# Altium PCB VOU_SOM_CV_V0.0.1.PcbDoc (part 1 of 3)
Units mm, origin at the board's own origin, x right, y up, seen from the top; angles counter-clockwise.
Board outline 95 x 95 mm, 8 copper layers (Top Layer, Signal Layer 1, Signal Layer 2, Signal Layer 3, Signal Layer 4, Signal Layer 5, Signal Layer 6, Bottom Layer), stack 1.684 mm thick; 531 components, 781 nets, 3326 pads, 56 vias.
Unrouted connection lines stored in the file: 2441.
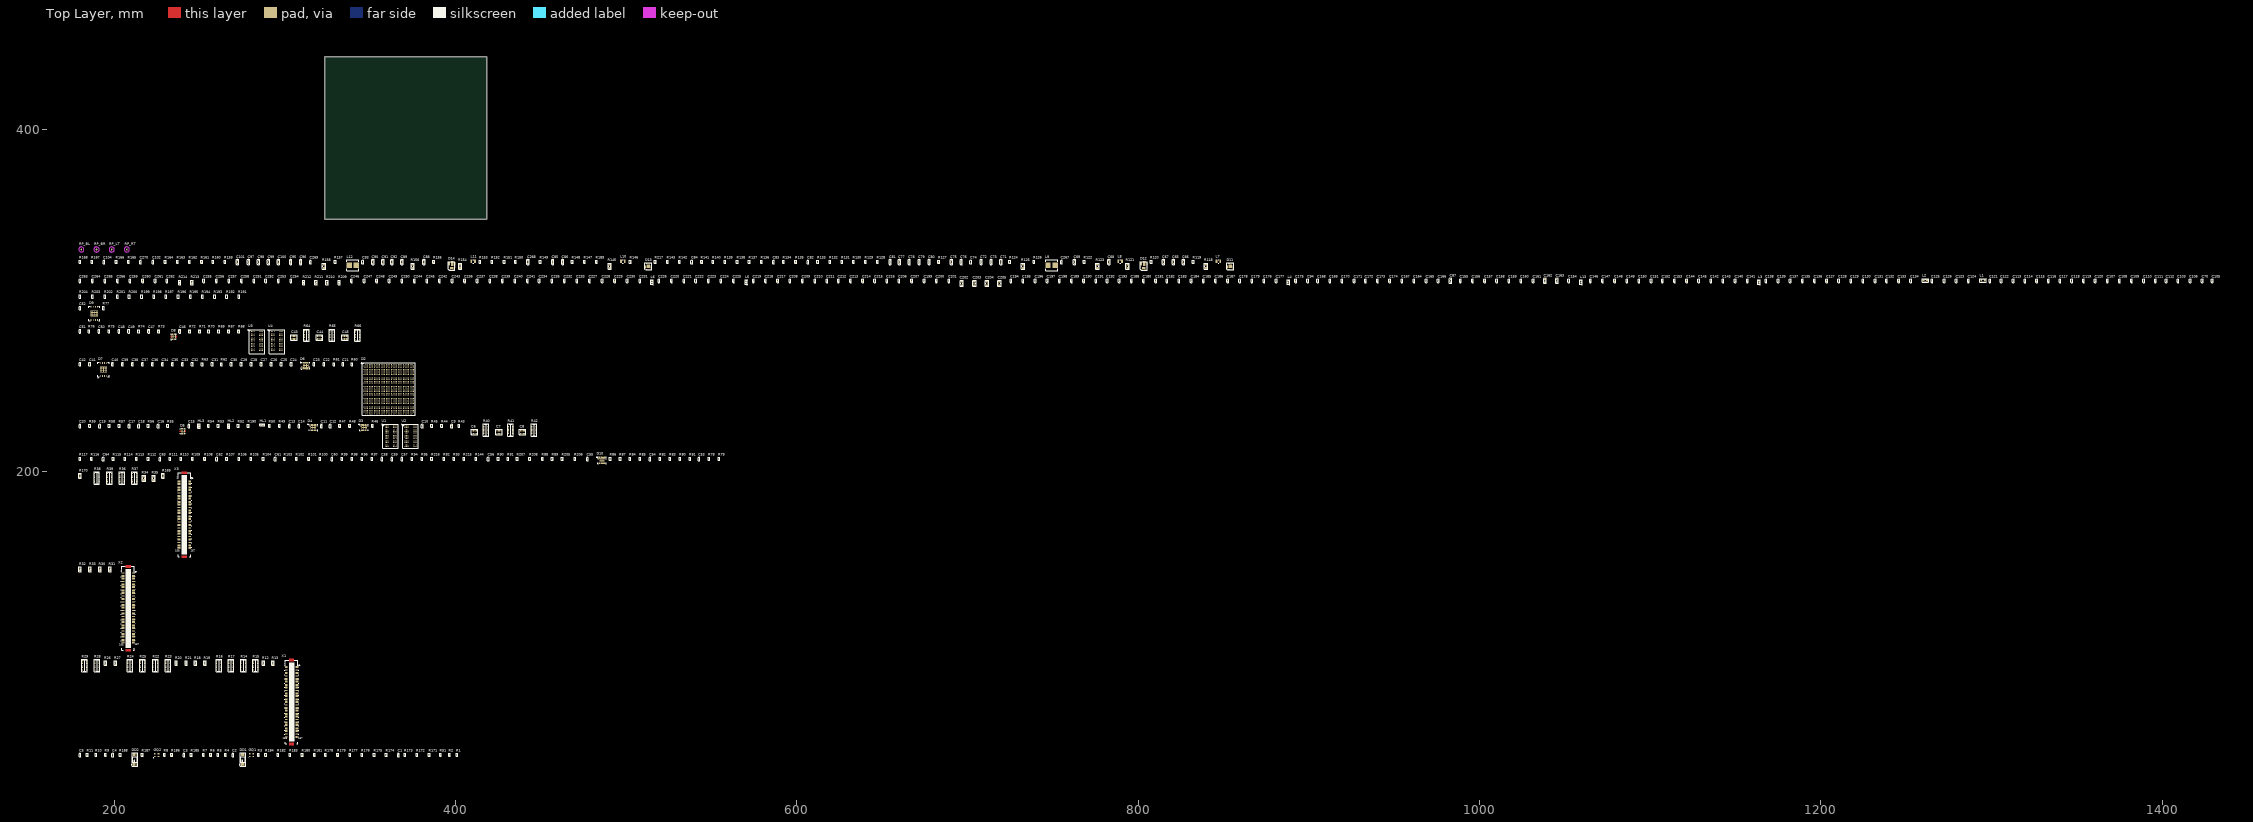
[diagram p0: Top Layer view]
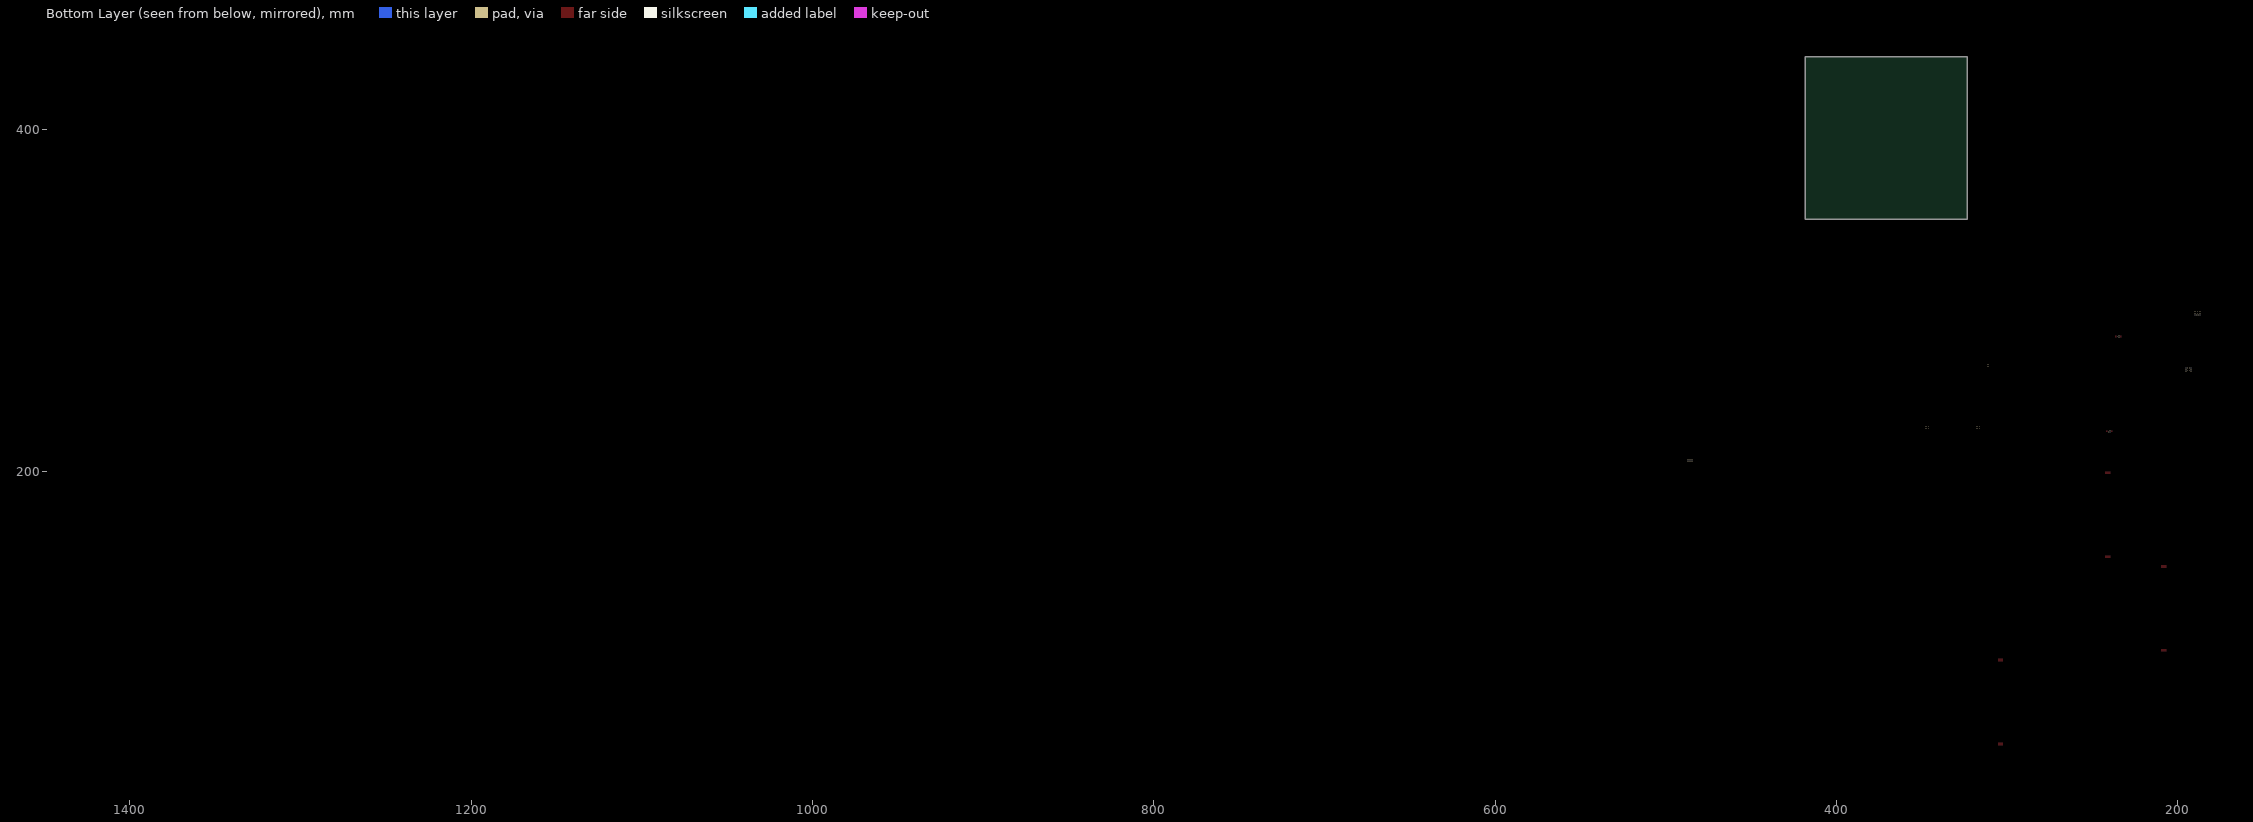
[diagram p1: Bottom Layer view, seen from below]

## Layer stack, top to bottom
Top Solder: solder mask 0.0102, Solder Resist, Dk 3.5
Top Layer: signal copper 0.0356
Dielectric 1: core 0.254, FR-4, Dk 4.2
Signal Layer 1: signal copper 0.036
Dielectric 3: prepreg 0.127, Dk 4.2
Signal Layer 2: signal copper 0.036
Dielectric 4: core 0.254, Dk 4.2
Signal Layer 3: signal copper 0.036
Dielectric 5: prepreg 0.127, Dk 4.2
Signal Layer 4: signal copper 0.036
Dielectric 6: core 0.254, Dk 4.2
Signal Layer 5: signal copper 0.036
Dielectric 7: prepreg 0.127, Dk 4.2
Signal Layer 6: signal copper 0.036
Dielectric 2: core 0.254, Dk 4.2
Bottom Layer: signal copper 0.0356
Bottom Solder: solder mask 0.0102, Solder Resist, Dk 3.5

## Board outline
323.325,347.8 418.325,347.8 418.325,442.8 323.325,442.8

## Design rules (kind name [scope] priority, off if disabled: settings)
Clearance [All] p1: gap=0.254
DiffPairsRouting [All] p1: maxlimit=0.254 minlimit=0.254 mostfreqgap=0.254 toplayer_minwidth=0.381 toplayer_maxwidth=0.381 toplayer_prefwidth=0.381 midlayer1_minwidth=0.381 midlayer1_maxwidth=0.381 midlayer1_prefwidth=0.381 midlayer2_minwidth=0.381 midlayer2_maxwidth=0.381 midlayer2_prefwidth=0.381 midlayer3_minwidth=0.381 midlayer3_maxwidth=0.381 midlayer3_prefwidth=0.381 midlayer4_minwidth=0.381 midlayer4_maxwidth=0.381 midlayer4_prefwidth=0.381 midlayer5_minwidth=0.381 midlayer5_maxwidth=0.381 midlayer5_prefwidth=0.381 midlayer6_minwidth=0.381 midlayer6_maxwidth=0.381 midlayer6_prefwidth=0.381 bottomlayer_minwidth=0.381 bottomlayer_maxwidth=0.381 bottomlayer_prefwidth=0.381 maxuncoupledlength=12.7
PolygonConnect [All] p1: connectstyle=Relief reliefconductorwidth=0.254 reliefentries=4 polygonreliefangle="90 Angle" airgapwidth=0.254
RoomDefinition VOU_SOM_CV_V0.0.1 [InComponentClass('VOU_SOM_CV_V0.0.1')] p1: confinementstyle=ConfineIn formatcopy=TRUE lockcomponents=FALSE outline 178.943,328.168 213.614,328.168 213.614,334.518 178.943,334.518
RoomDefinition SoC_pwr_2.SchDoc [InComponentClass('SoC_pwr_2.SchDoc')] p2: confinementstyle=ConfineIn formatcopy=TRUE lockcomponents=FALSE outline 178.943,317.119 856.234,317.119 856.234,326.898 178.943,326.898
RoomDefinition SoC_pwr_1.SchDoc [InComponentClass('SoC_pwr_1.SchDoc')] p3: confinementstyle=ConfineIn formatcopy=TRUE lockcomponents=FALSE outline 178.943,307.721 1434.719,307.721 1434.719,315.849 178.943,315.849
RoomDefinition JTAG_chain.SchDoc [InComponentClass('JTAG_chain.SchDoc')] p4: confinementstyle=ConfineIn formatcopy=TRUE lockcomponents=FALSE outline 178.943,301.117 277.876,301.117 277.876,306.578 178.943,306.578
RoomDefinition HPS_IOs.SchDoc [InComponentClass('HPS_IOs.SchDoc')] p5: confinementstyle=ConfineIn formatcopy=TRUE lockcomponents=FALSE outline 178.943,287.528 197.739,287.528 197.739,299.847 178.943,299.847
RoomDefinition HPS_DDR3.SchDoc [InComponentClass('HPS_DDR3.SchDoc')] p6: confinementstyle=ConfineIn formatcopy=TRUE lockcomponents=FALSE outline 178.943,268.224 345.44,268.224 345.44,286.258 178.943,286.258
RoomDefinition FPGA_IOs.SchDoc [InComponentClass('FPGA_IOs.SchDoc')] p7: confinementstyle=ConfineIn formatcopy=TRUE lockcomponents=FALSE outline 178.943,231.902 377.19,231.902 377.19,266.954 178.943,266.954
RoomDefinition FPGA_DDR3&IO.SchDoc [InComponentClass('FPGA_DDR3&IO.SchDoc')] p8: confinementstyle=ConfineIn formatcopy=TRUE lockcomponents=FALSE outline 178.943,212.725 448.945,212.725 448.945,230.759 178.943,230.759
RoomDefinition DIMS_DSP_MainBoard_Interface.SchDoc [InComponentClass('DIMS_DSP_MainBoard_Interface.SchDoc')] p9: confinementstyle=ConfineIn formatcopy=TRUE lockcomponents=FALSE outline 178.943,203.835 558.419,203.835 558.419,211.455 178.943,211.455
RoomDefinition Conn_C.SchDoc [InComponentClass('Conn_C.SchDoc')] p10: confinementstyle=ConfineIn formatcopy=TRUE lockcomponents=FALSE outline 178.943,148.971 246.634,148.971 246.634,202.565 178.943,202.565
RoomDefinition Conn_B.SchDoc [InComponentClass('Conn_B.SchDoc')] p11: confinementstyle=ConfineIn formatcopy=TRUE lockcomponents=FALSE outline 178.943,94.107 213.741,94.107 213.741,147.701 178.943,147.701
RoomDefinition Conn_A.SchDoc [InComponentClass('Conn_A.SchDoc')] p12: confinementstyle=ConfineIn formatcopy=TRUE lockcomponents=FALSE outline 178.943,39.243 309.499,39.243 309.499,92.837 178.943,92.837
RoomDefinition CLK_src&sys_logic.SchDoc [InComponentClass('CLK_src&sys_logic.SchDoc')] p13: confinementstyle=ConfineIn formatcopy=TRUE lockcomponents=FALSE outline 178.943,26.797 402.844,26.797 402.844,37.973 178.943,37.973
RoutingVias [All] p1: holewidth=0.711 width=1.27 viastyle="Through Hole" minholewidth=0.711 minwidth=1.27 maxholewidth=0.711 maxwidth=1.27
SolderMaskExpansion [All] p1: expansion=0.102
Width [All] p1: maxlimit=0.254 minlimit=0.254 preferedwidth=0.254
29 further rules are at their usual default settings.

## Classes and differential pairs
component class VOU_SOM_CV_V0.0.1: RP_BL RP_BR RP_LT RP_RT
component class SoC_pwr_2.SchDoc: C65 C66 C67 C68 C69 C71 C72 C73 C74 C75 C76 C77 C78 C79 C80 C81 C82 C83 C84 C85 C86 C88 C89 C90 C91 C92 C93 C95 C96 C97 C98 C99 C100 C101 C102 C104 C267 C268 C269 C270 D11 D12 D13 D14 L7 L8 L9 L10 L11 L12 R118 R119 R120 R121 R122 R123 R124 R125 R126 R127 R128 R129 R130 R131 R132 R133 R134 R135 R136 R137 R138 R139 R140 R141 R142 R143 R145 R146 R147 R148 R149 R150 R151 R152 R153 R154 R155 R156 R157 R158 R159 R160 R161 R162 R163 R164 R165 R166 R167 R168 R189 R217
component class SoC_pwr_1.SchDoc: C70 C87 C94 C103 C105 C106 C107 C108 C109 C110 C111 C112 C113 C114 C115 C116 C117 C118 C119 C120 C121 C122 C123 C124 C125 C126 C127 C128 C129 C130 C131 C132 C133 C134 C135 C136 C137 C138 C139 C140 C141 C142 C143 C144 C145 C146 C147 C148 C149 C150 C151 C152 C153 C154 C155 C156 C157 C158 C159 C160 C161 C162 C163 C164 C165 C166 C167 C168 C169 C170 C171 C172 C173 C174 C175 C176 C177 C178 C179 C180 C181 C182 C183 C184 C185 C186 C187 C188 C189 C190 C191 C192 C193 C194 C195 C196 C197 C198 C199 C200 C201 C202 C203 C204 C205 C206 C207 C208 C209 C210 C211 C212 C213 C214 C215 C216 C217 C218 C219 C220 C221 C222 C223 C224 C225 C226 C227 C228 C229 C230 C231 C232 C233 C234 C235 C236 C237 C238 C239 C240 C241 C242 C243 C244 C245 C246 C247 C248 C249 C250 C251 C252 C253 C254 C255 C256 C257 C258 C259 C260 C261 C262 C263 C264 C265 C266 L1 L2 L3 L4 L5 L6 L13 R209 R210 R211 R212 R213 R214
component class JTAG_chain.SchDoc: R191 R192 R193 R194 R195 R196 R197 R198 R199 R200 R201 R202 R203 R204
component class HPS_IOs.SchDoc: C52 D9 R77
component class HPS_DDR3.SchDoc: C43 C44 C45 C46 C47 C48 C49 C50 C51 D8 R64 R65 R66 R67 R68 R69 R70 R71 R72 R73 R74 R75 R76 U3 U4
component class FPGA_IOs.SchDoc: C21 C22 C23 C24 C25 C26 C27 C28 C29 C30 C31 C32 C33 C34 C35 C36 C37 C38 C39 C40 C41 C42 D2 D6 D7 R60 R61 R62 R63
component class FPGA_DDR3&IO.SchDoc: C6 C7 C8 C9 C10 C11 C12 C13 C14 C15 C16 C17 C18 C19 C20 D3 D4 D5 HL1 HL2 HL3 R40 R41 R42 R43 R44 R45 R46 R47 R48 R49 R50 R52 R53 R54 R55 R56 R57 R58 R59 R190 U1 U2
component class DIMS_DSP_MainBoard_Interface.SchDoc: C53 C54 C55 C56 C57 C58 C59 C60 C61 C62 C63 C64 D10 R78 R79 R80 R81 R82 R83 R84 R85 R86 R87 R88 R89 R90 R91 R92 R93 R94 R95 R96 R97 R98 R99 R100 R101 R102 R103 R104 R105 R106 R107 R108 R109 R110 R111 R112 R113 R114 R115 R116 R117 R144 R205 R206 R207 R208 R215 R216
component class Conn_C.SchDoc: R34 R35 R36 R37 R38 R39 R169 R170 X3
component class Conn_B.SchDoc: R30 R31 R32 R33 X2
component class Conn_A.SchDoc: R12 R13 R14 R15 R16 R17 R18 R19 R20 R21 R22 R23 R24 R25 R26 R27 R28 R29 X1
component class CLK_src&sys_logic.SchDoc: C1 C2 C3 C4 C5 D1 DD1 DD2 GQ1 GQ2 R1 R2 R3 R4 R5 R6 R7 R8 R9 R10 R11 R51 R171 R172 R173 R174 R175 R176 R177 R178 R179 R180 R181 R182 R183 R184 R185 R186 R187 R188
differential pair MIPI_CSI_DB3_HS: +MIPI_CSI_DB3_HS_P -MIPI_CSI_DB3_HS_N
differential pair MIPI_CSI_DB2_HS: +MIPI_CSI_DB2_HS_P -MIPI_CSI_DB2_HS_N
differential pair MIPI_CSI_DB1_HS: +MIPI_CSI_DB1_HS_P -MIPI_CSI_DB1_HS_N
differential pair MIPI_CSI_DB0_HS: +MIPI_CSI_DB0_HS_P -MIPI_CSI_DB0_HS_N
differential pair MIPI_CSI_DA3_HS: +MIPI_CSI_DA3_HS_P -MIPI_CSI_DA3_HS_N
differential pair MIPI_CSI_DA2_HS: +MIPI_CSI_DA2_HS_P -MIPI_CSI_DA2_HS_N
differential pair MIPI_CSI_DA1_HS: +MIPI_CSI_DA1_HS_P -MIPI_CSI_DA1_HS_N
differential pair MIPI_CSI_DA0_HS: +MIPI_CSI_DA0_HS_P -MIPI_CSI_DA0_HS_N
differential pair MIPI_CSI_CKB_HS: +MIPI_CSI_CKB_HS_P -MIPI_CSI_CKB_HS_N
differential pair MIPI_CSI_CKA_HS: +MIPI_CSI_CKA_HS_P -MIPI_CSI_CKA_HS_N
differential pair LVDS0_TX3: +LVDS0_TX3_P -LVDS0_TX3_N
differential pair LVDS0_TX2: +LVDS0_TX2_P -LVDS0_TX2_N
differential pair LVDS0_TX1: +LVDS0_TX1_P -LVDS0_TX1_N
differential pair LVDS0_TX0: +LVDS0_TX0_P -LVDS0_TX0_N
differential pair LVDS0_CKO: +LVDS0_CKO_P -LVDS0_CKO_N
differential pair GXB_TXB_C0: +GXB_TXB_C0_P -GXB_TXB_C0_N
differential pair GXB_TXB0: +GXB_TXB0_P -GXB_TXB0_N
differential pair GXB_TXA_C7: +GXB_TXA_C7_P -GXB_TXA_C7_N
differential pair GXB_TXA_C6: +GXB_TXA_C6_P -GXB_TXA_C6_N
differential pair GXB_TXA_C5: +GXB_TXA_C5_P -GXB_TXA_C5_N
differential pair GXB_TXA_C4: +GXB_TXA_C4_P -GXB_TXA_C4_N
differential pair GXB_TXA_C3: +GXB_TXA_C3_P -GXB_TXA_C3_N
differential pair GXB_TXA_C2: +GXB_TXA_C2_P -GXB_TXA_C2_N
differential pair GXB_TXA_C1: +GXB_TXA_C1_P -GXB_TXA_C1_N
differential pair GXB_TXA_C0: +GXB_TXA_C0_P -GXB_TXA_C0_N
differential pair GXB_TXA7: +GXB_TXA7_P -GXB_TXA7_N
differential pair GXB_TXA6: +GXB_TXA6_P -GXB_TXA6_N
differential pair GXB_TXA5: +GXB_TXA5_P -GXB_TXA5_N
differential pair GXB_TXA4: +GXB_TXA4_P -GXB_TXA4_N
differential pair GXB_TXA3: +GXB_TXA3_P -GXB_TXA3_N
differential pair GXB_TXA2: +GXB_TXA2_P -GXB_TXA2_N
differential pair GXB_TXA1: +GXB_TXA1_P -GXB_TXA1_N
differential pair GXB_TXA0: +GXB_TXA0_P -GXB_TXA0_N
differential pair GXB_RXB0: +GXB_RXB0_P -GXB_RXB0_N
differential pair GXB_RXA7: +GXB_RXA7_P -GXB_RXA7_N
differential pair GXB_RXA6: +GXB_RXA6_P -GXB_RXA6_N
differential pair GXB_RXA5: +GXB_RXA5_P -GXB_RXA5_N
differential pair GXB_RXA4: +GXB_RXA4_P -GXB_RXA4_N
differential pair GXB_RXA3: +GXB_RXA3_P -GXB_RXA3_N
differential pair GXB_RXA2: +GXB_RXA2_P -GXB_RXA2_N
differential pair GXB_RXA1: +GXB_RXA1_P -GXB_RXA1_N
differential pair GXB_RXA0: +GXB_RXA0_P -GXB_RXA0_N
differential pair GXB_REF_CK1: +GXB_REF_CK1_P -GXB_REF_CK1_N
differential pair GXB_REF_CK0: +GXB_REF_CK0_P -GXB_REF_CK0_N
differential pair CFG_DIFFO_CKO18: +CFG_DIFFO_CKO18_P -CFG_DIFFO_CKO18_N
differential pair CFG_DIFFO_CKO1: +CFG_DIFFO_CKO1_P -CFG_DIFFO_CKO1_N
differential pair CFG_DIFFO19: +CFG_DIFFO19_P -CFG_DIFFO19_N
differential pair CFG_DIFFO17: +CFG_DIFFO17_P -CFG_DIFFO17_N
differential pair CFG_DIFFO16: +CFG_DIFFO16_P -CFG_DIFFO16_N
differential pair CFG_DIFFO15: +CFG_DIFFO15_P -CFG_DIFFO15_N
differential pair CFG_DIFFO14: +CFG_DIFFO14_P -CFG_DIFFO14_N
differential pair CFG_DIFFO13: +CFG_DIFFO13_P -CFG_DIFFO13_N
differential pair CFG_DIFFO12: +CFG_DIFFO12_P -CFG_DIFFO12_N
differential pair CFG_DIFFO11: +CFG_DIFFO11_P -CFG_DIFFO11_N
differential pair CFG_DIFFO10: +CFG_DIFFO10_P -CFG_DIFFO10_N
differential pair CFG_DIFFO9: +CFG_DIFFO9_P -CFG_DIFFO9_N
differential pair CFG_DIFFO8: +CFG_DIFFO8_P -CFG_DIFFO8_N
differential pair CFG_DIFFO7: +CFG_DIFFO7_P -CFG_DIFFO7_N
differential pair CFG_DIFFO6: +CFG_DIFFO6_P -CFG_DIFFO6_N
differential pair CFG_DIFFO5: +CFG_DIFFO5_P -CFG_DIFFO5_N
differential pair CFG_DIFFO4: +CFG_DIFFO4_P -CFG_DIFFO4_N
differential pair CFG_DIFFO3: +CFG_DIFFO3_P -CFG_DIFFO3_N
differential pair CFG_DIFFO2: +CFG_DIFFO2_P -CFG_DIFFO2_N
differential pair CFG_DIFFO0: +CFG_DIFFO0_P -CFG_DIFFO0_N
differential pair CFG_DIFFI_CKI4: +CFG_DIFFI_CKI4_P -CFG_DIFFI_CKI4_N
differential pair CFG_DIFFI_CKI0: +CFG_DIFFI_CKI0_P -CFG_DIFFI_CKI0_N
differential pair CFG_DIFFI19: +CFG_DIFFI19_P -CFG_DIFFI19_N
differential pair CFG_DIFFI18: +CFG_DIFFI18_P -CFG_DIFFI18_N
differential pair CFG_DIFFI17: +CFG_DIFFI17_P -CFG_DIFFI17_N
differential pair CFG_DIFFI16: +CFG_DIFFI16_P -CFG_DIFFI16_N
differential pair CFG_DIFFI15: +CFG_DIFFI15_P -CFG_DIFFI15_N
differential pair CFG_DIFFI14: +CFG_DIFFI14_P -CFG_DIFFI14_N
differential pair CFG_DIFFI13: +CFG_DIFFI13_P -CFG_DIFFI13_N
differential pair CFG_DIFFI12: +CFG_DIFFI12_P -CFG_DIFFI12_N
differential pair CFG_DIFFI11: +CFG_DIFFI11_P -CFG_DIFFI11_N
differential pair CFG_DIFFI10: +CFG_DIFFI10_P -CFG_DIFFI10_N
differential pair CFG_DIFFI9: +CFG_DIFFI9_P -CFG_DIFFI9_N
differential pair CFG_DIFFI8: +CFG_DIFFI8_P -CFG_DIFFI8_N
differential pair CFG_DIFFI7: +CFG_DIFFI7_P -CFG_DIFFI7_N
differential pair CFG_DIFFI6: +CFG_DIFFI6_P -CFG_DIFFI6_N
differential pair CFG_DIFFI5: +CFG_DIFFI5_P -CFG_DIFFI5_N
differential pair CFG_DIFFI3: +CFG_DIFFI3_P -CFG_DIFFI3_N
differential pair CFG_DIFFI2: +CFG_DIFFI2_P -CFG_DIFFI2_N
differential pair CFG_DIFFI1: +CFG_DIFFI1_P -CFG_DIFFI1_N

## Components (designator, comment, footprint, x,y, rotation, side; value= is the part's Value field where it differs from the comment)
C1 "CC0402-X7R-0,1 мкФ-20%-10В" CC0402(1005) 366.522,33.655 r90 top
C2 "CC0402-X7R-0,01 мкФ-10%-50В" CC0402(1005) 269.494,33.655 r90 top
C3 "CC0402-X7R-0,1 мкФ-20%-10В" CC0402(1005) 240.792,33.655 r90 top
C4 "CC0402-X7R-0,01 мкФ-10%-50В" CC0402(1005) 199.136,33.655 r90 top
C5 "CC0402-X7R-0,1 мкФ-20%-10В" CC0402(1005) 179.832,33.655 r90 top
C6 "W3A4YC104KAT2A" CAF-80P319X159-8N 410.972,222.885 r90 top
C7 "W3A4YC104KAT2A" CAF-80P319X159-8N 425.45,222.885 r90 top
C8 "W3A4YC104KAT2A" CAF-80P319X159-8N 439.293,222.885 r90 top
C9 "CC0402-X7R-0,1 мкФ-20%-10В" CC0402(1005) 397.764,226.441 r90 top
C10 "CC0402-X7R-0,1 мкФ-20%-10В" CC0402(1005) 380.492,226.441 r90 top
C11 "CC0402-X7R-0,1 мкФ-20%-10В" CC0402(1005) 321.437,226.441 r90 top
C12 "CC0402-X7R-0,1 мкФ-20%-10В" CC0402(1005) 326.517,226.441 r90 top
C13 "CC0402-X7R-0,1 мкФ-20%-10В" CC0402(1005) 302.641,226.441 r90 top
C14 "CC0402-X7R-0,1 мкФ-20%-10В" CC0402(1005) 308.229,226.441 r90 top
C15 "CC0402-X7R-0,1 мкФ-20%-10В" CC0402(1005) 243.713,226.441 r90 top
C16 "CC0402-X5R-22 мкФ-20%-6.3В" CC0402(1005) 225.806,226.441 r90 top
C17 "CC0402-X5R-22 мкФ-20%-6.3В" CC0402(1005) 208.788,226.441 r90 top
C18 "CC0402-X5R-22 мкФ-20%-6.3В" CC0402(1005) 214.376,226.441 r90 top
C19 "CC0402-X5R-22 мкФ-20%-6.3В" CC0402(1005) 191.516,226.441 r90 top
C20 "CC0402-NP01000 пФ-1%-50В" CC0402(1005) 179.832,226.441 r90 top
C21 "CC0402-X7R-0,1 мкФ-20%-10В" CC0402(1005) 334.01,262.636 r90 top
C22 "CC0402-X7R-0,1 мкФ-20%-10В" CC0402(1005) 322.834,262.636 r90 top
C23 "CC0402-X7R-0,1 мкФ-20%-10В" CC0402(1005) 316.992,262.636 r90 top
C24 "CC0402-X7R-0,1 мкФ-20%-10В" CC0402(1005) 303.657,262.636 r90 top
C25 "CC0402-X7R-0,1 мкФ-20%-10В" CC0402(1005) 297.815,262.636 r90 top
C26 "CC0402-X7R-0,1 мкФ-20%-10В" CC0402(1005) 291.973,262.636 r90 top
C27 "CC0402-X7R-0,1 мкФ-20%-10В" CC0402(1005) 286.131,262.636 r90 top
C28 "CC0402-X7R-0,1 мкФ-20%-10В" CC0402(1005) 280.289,262.636 r90 top
C29 "CC0402-X7R-0,1 мкФ-20%-10В" CC0402(1005) 274.447,262.636 r90 top
C30 "CC0402-X7R-0,1 мкФ-20%-10В" CC0402(1005) 268.605,262.636 r90 top
C31 "CC0402-X7R-0,1 мкФ-20%-10В" CC0402(1005) 257.429,262.636 r90 top
C32 "CC0402-X7R-0,1 мкФ-20%-10В" CC0402(1005) 245.745,262.636 r90 top
C33 "CC0402-X7R-0,1 мкФ-20%-10В" CC0402(1005) 239.903,262.636 r90 top
C34 "CC0402-X7R-0,1 мкФ-20%-10В" CC0402(1005) 228.219,262.636 r90 top
C35 "CC0402-X7R-0,1 мкФ-20%-10В" CC0402(1005) 234.061,262.636 r90 top
C36 "CC0402-X7R-0,1 мкФ-20%-10В" CC0402(1005) 222.377,262.636 r90 top
C37 "CC0402-X7R-0,1 мкФ-20%-10В" CC0402(1005) 216.535,262.636 r90 top
C38 "CC0402-X7R-0,1 мкФ-20%-10В" CC0402(1005) 210.693,262.636 r90 top
C39 "CC0402-X7R-0,1 мкФ-20%-10В" CC0402(1005) 204.851,262.636 r90 top
C40 "CC0402-X7R-0,1 мкФ-20%-10В" CC0402(1005) 199.009,262.636 r90 top
C41 "CC0402-X7R-0,1 мкФ-20%-10В" CC0402(1005) 185.674,262.636 r90 top
C42 "CC0402-X7R-0,1 мкФ-20%-10В" CC0402(1005) 179.832,262.636 r90 top
C43 "W3A4YC104KAT2A" CAF-80P319X159-8N 305.308,278.384 r90 top
C44 "W3A4YC104KAT2A" CAF-80P319X159-8N 320.294,278.384 r90 top
C45 "W3A4YC104KAT2A" CAF-80P319X159-8N 335.28,278.384 r90 top
C46 "CC0402-X7R-0,1 мкФ-20%-10В" CC0402(1005) 238.379,281.94 r90 top
C47 "CC0402-X5R-4.7 мкФ-20%-6.3В" CC0402(1005) 220.218,281.94 r90 top
C48 "CC0402-X5R-22 мкФ-20%-6.3В" CC0402(1005) 202.692,281.94 r90 top
C49 "CC0402-X5R-22 мкФ-20%-6.3В" CC0402(1005) 208.534,281.94 r90 top
C50 "CC0402-X5R-22 мкФ-20%-6.3В" CC0402(1005) 191.008,281.94 r90 top
C51 "CC0402-NP01000 пФ-1%-50В" CC0402(1005) 179.832,281.94 r90 top
C52 "CC0402-X7R-0,1 мкФ-20%-10В" CC0402(1005) 179.832,295.529 r90 top
C53 "CC0402-NP0-100 пФ-1%-50В" CC0402(1005) 542.671,207.137 r90 top
C54 "CC0402-NP0-100 пФ-1%-50В" CC0402(1005) 513.969,207.137 r90 top
C55 "CC0402-NP0-100 пФ-1%-50В" CC0402(1005) 477.266,207.137 r90 top
C56 "CC0402-NP0-100 пФ-1%-50В" CC0402(1005) 419.1,207.137 r90 top
C57 "CC0402-NP0-100 пФ-1%-50В" CC0402(1005) 368.554,207.137 r90 top
C58 "CC0402-X7R-0,1 мкФ-20%-10В" CC0402(1005) 356.87,207.137 r90 top
C59 "CC0402-X7R-0,1 мкФ-20%-10В" CC0402(1005) 362.712,207.137 r90 top
C60 "CC0402-NP0-100 пФ-1%-50В" CC0402(1005) 327.66,207.137 r90 top
C61 "CC0402-NP0-100 пФ-1%-50В" CC0402(1005) 294.386,207.137 r90 top
C62 "CC0402-NP0-100 пФ-1%-50В" CC0402(1005) 260.096,207.137 r90 top
C63 "CC0402-NP0-100 пФ-1%-50В" CC0402(1005) 226.822,207.137 r90 top
C64 "CC0402-NP0-100 пФ-1%-50В" CC0402(1005) 193.548,207.137 r90 top
C65 "CC0603-X5R-22 мкФ-20%-6,3В" CC0603 820.674,322.58 r90 top
C66 "CC0603-X5R-22 мкФ-20%-6,3В" CC0603 826.516,322.58 r90 top
C67 "CC0603-X5R-22 мкФ-20%-6,3В" CC0603 814.832,322.58 r90 top
C68 "CC0603-X5R-47 мкФ-20%-6,3В" CC0603 782.828,322.58 r90 top
C69 "CC0603-X5R-47 мкФ-20%-6,3В" CC0603 762.762,322.58 r90 top
C70 "CC0402-X7R-0,1 мкФ-20%-10В" CC0402(1005) 1423.543,311.531 r90 top
C71 "CC0603-X5R-22 мкФ-20%-6,3В" CC0603 719.709,322.58 r90 top
C72 "CC0603-X5R-22 мкФ-20%-6,3В" CC0603 708.025,322.58 r90 top
C73 "CC0603-X5R-22 мкФ-20%-6,3В" CC0603 713.867,322.58 r90 top
C74 "CC0402-X7R-2200 пФ-10%-16В" CC0402(1005) 701.929,322.58 r90 top
C75 "CC0603-X5R-22 мкФ-20%-6,3В" CC0603 690.499,322.58 r90 top
C76 "CC0603-X5R-22 мкФ-20%-6,3В" CC0603 696.341,322.58 r90 top
C77 "CC0603-X5R-22 мкФ-20%-6,3В" CC0603 660.019,322.58 r90 top
C78 "CC0603-X5R-22 мкФ-20%-6,3В" CC0603 665.861,322.58 r90 top
C79 "CC0603-X5R-22 мкФ-20%-6,3В" CC0603 671.703,322.58 r90 top
C80 "CC0603-X5R-22 мкФ-20%-6,3В" CC0603 677.545,322.58 r90 top
C81 "CC0603-X5R-1 мкФ-10%-25В" CC0603 654.685,322.58 r90 top
C82 "CC0402-X7R-0,1 мкФ-20%-10В" CC0402(1005) 606.425,322.58 r90 top
C83 "CC0402-X7R-0,01 мкФ-10%-50В" CC0402(1005) 586.359,322.58 r90 top
C84 "CC0402-NP0-270 пФ-1%-50В" CC0402(1005) 538.353,322.58 r90 top
C85 "CC0603-X5R-22 мкФ-20%-6,3В" CC0603 456.946,322.58 r90 top
C86 "CC0603-X5R-22 мкФ-20%-6,3В" CC0603 462.788,322.58 r90 top
C87 "CC0603-X5R-22 мкФ-20%-6,3В" CC0603 983.107,311.531 r90 top
C88 "CC0603-X5R-22 мкФ-20%-6,3В" CC0603 381.508,322.58 r90 top
C89 "CC0603-X5R-47 мкФ-20%-6,3В" CC0603 368.554,322.58 r90 top
C90 "CC0603-X5R-47 мкФ-20%-6,3В" CC0603 351.536,322.58 r90 top
C91 "CC0603-X5R-22 мкФ-20%-6,3В" CC0603 357.378,322.58 r90 top
C92 "CC0603-X5R-22 мкФ-20%-6,3В" CC0603 362.712,322.58 r90 top
C93 "CC0402-X7R-0,1 мкФ-20%-10В" CC0402(1005) 345.567,322.58 r90 top
C94 "CC0402-X7R-4700 пФ-10%-50В" CC0402(1005) 899.414,311.531 r90 top
C95 "CC0603-X5R-22 мкФ-20%-6,3В" CC0603 303.403,322.58 r90 top
C96 "CC0603-X5R-22 мкФ-20%-6,3В" CC0603 309.245,322.58 r90 top
C97 "CC0603-X5R-22 мкФ-20%-6,3В" CC0603 278.765,322.58 r90 top
C98 "CC0603-X5R-22 мкФ-20%-6,3В" CC0603 284.607,322.58 r90 top
C99 "CC0603-X5R-22 мкФ-20%-6,3В" CC0603 290.449,322.58 r90 top
C100 "CC0603-X5R-22 мкФ-20%-6,3В" CC0603 296.291,322.58 r90 top
C101 "CC0603-X5R-1 мкФ-10%-25В" CC0603 272.161,322.58 r90 top
C102 "CC0402-X7R-0,1 мкФ-20%-10В" CC0402(1005) 222.758,322.58 r90 top
C103 "CC0402-X7R-0,01 мкФ-10%-50В" CC0402(1005) 1409.319,311.531 r90 top
C104 "CC0402-NP0-270 пФ-1%-50В" CC0402(1005) 194.056,322.58 r90 top